# KiCad board oresat-proto-card.kicad_pcb (continued)
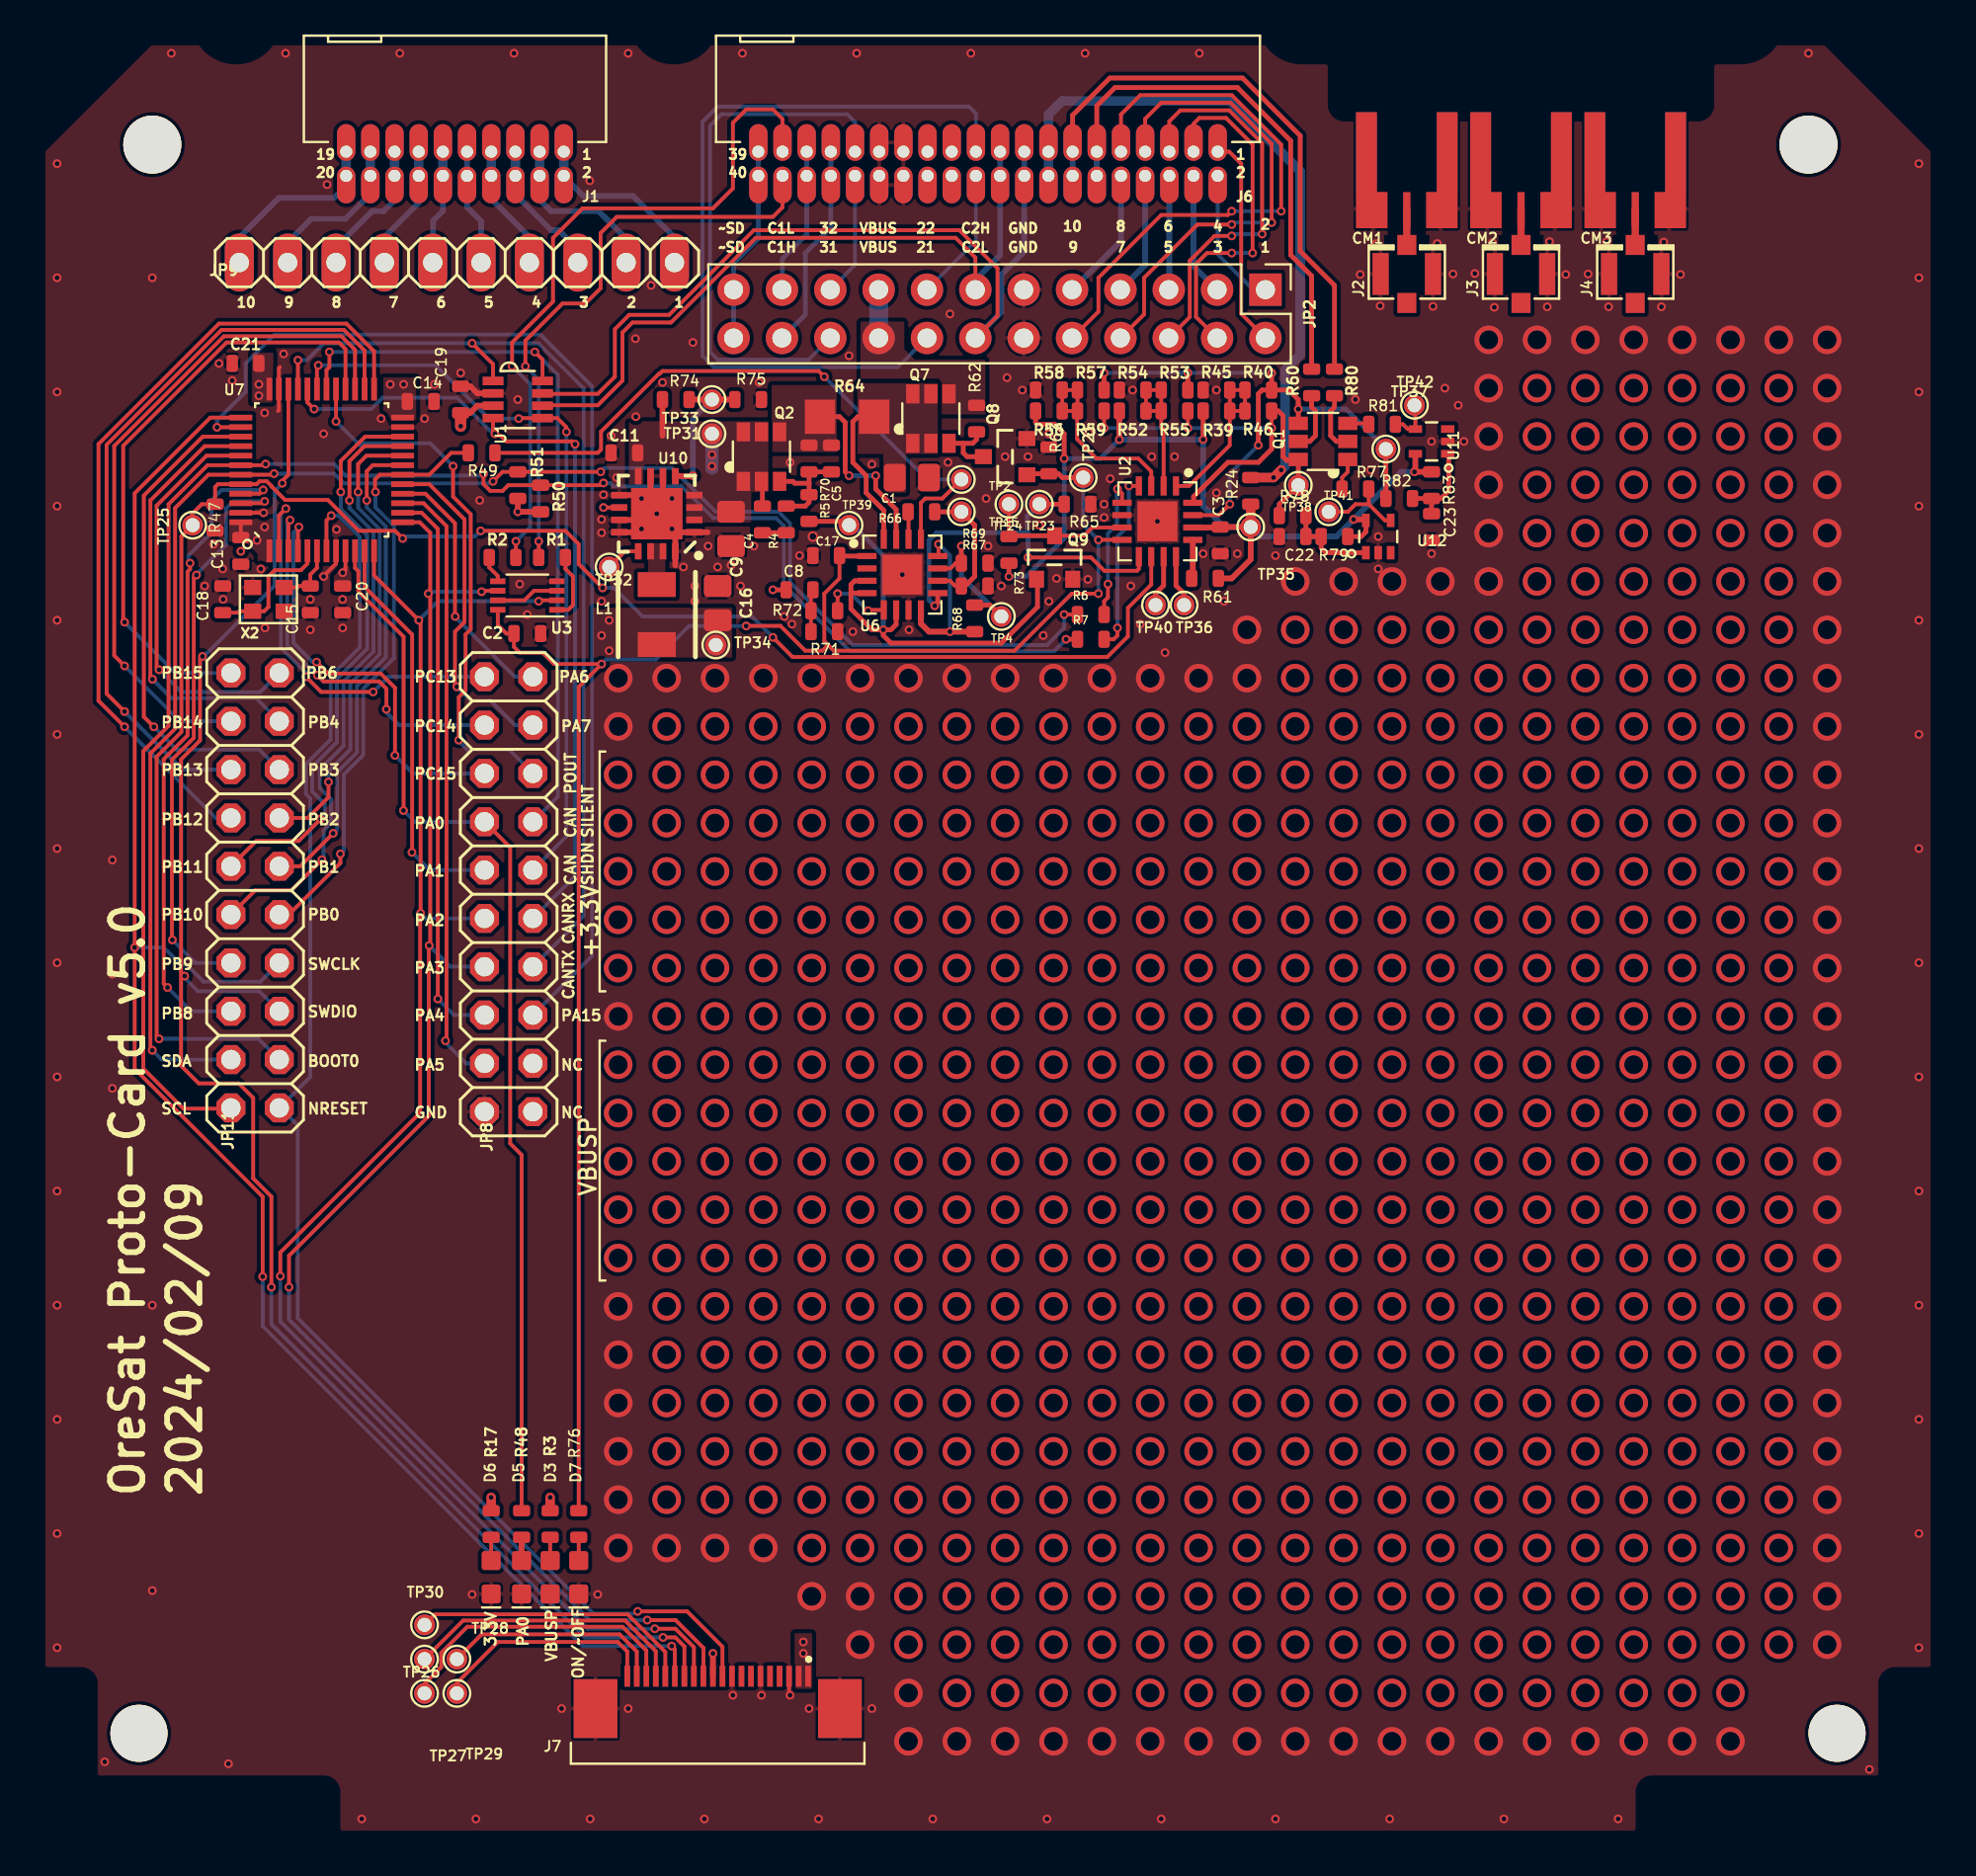
[diagram p0: board, top side]
## Nets (continued)
OPD_SCL: J6.13 J6.14 R80.1
OPD_SDA: J6.11 J6.12 R60.1
PA2/USART2_TX: J7.13 JP8.11 U3.2 U7.12
PA3/USART2_RX: J7.12 JP8.13 U3.6 U7.13
PB6/SCL: JP11.2 R7.1 R50.1 U7.42
PB7/SDA: JP11.4 R6.1 R51.1 U7.43
POUT: R49.1 TP2.1 U6.13
VPD: C3.2 R24.2 R39.2 R52.2 R56.2 R61.2 R73.2 R79.2 R83.2 TP35.1 U2.14 U11.5 U12.5
Net-(C4-Pad1): C4.1 R4.1
Net-(C8-Pad1): C8.1 R71.2 R72.2
Net-(D3-PadA): D3.A R3.1
Net-(D5-PadA): D5.A R48.1
Net-(D6-PadA): D6.A R17.1
Net-(D7-PadA): D7.A R76.1
Net-(J2-SIGNAL): CM1.SIG J2.FEED
Net-(J3-SIGNAL): CM2.SIG J3.FEED
Net-(J4-SIGNAL): CM3.SIG J4.FEED
Net-(J7-DEBUG-0): J7.17 TP26.1
Net-(J7-DEBUG-1): J7.18 TP27.1
Net-(J7-DEBUG-2): J7.19 TP28.1
Net-(J7-DEBUG-3): J7.20 TP29.1
Net-(J7-SWO): J7.16 TP30.1
Net-(L1-Pad1): L1.1 U10.14 U10.15
Net-(Q1A-G): Q1.1 R77.2
Net-(Q1A-S): Q1.5 R60.2
Net-(Q1B-G): Q1.3 R81.2
Net-(Q1B-S): Q1.2 R80.2
Net-(Q2-G): C5.1 Q2.3 R4.2 R5.2 R70.1
Net-(Q2-S): C5.2 Q2.4 R64.2 R70.2 U6.15
Net-(Q7-G): Q7.3 Q8.3 R62.1
Net-(U2-IO0): R7.2 U2.4
Net-(U2-IO1): R6.2 U2.5
Net-(U2-IO6): TP40.1 U2.11
Net-(U2-IO7): TP36.1 U2.12
Net-(U2-~{RESET}): R61.1 U2.13
Net-(U3-IN1): U3.3 U3.7
Net-(U3-NO1): R1.2 U3.1
Net-(U3-NO2): R2.2 U3.5
Net-(U6-CIN1+): R66.1 R67.2 TP15.1 U6.10
Net-(U6-CIN1-): R68.1 R69.2 TP4.1 U6.11
Net-(U6-CIN2+): R68.2 U6.8 U6.12
Net-(U6-INHIBIT): R72.1 U6.5
Net-(U6-IOUT): R66.2 U6.14
Net-(U6-RS+): C1.1 Q7.1 Q7.2 Q7.5 Q7.6 R64.1 U6.16
Net-(U7-PF0-OSC_IN): C18.1 U7.5 X2.1
Net-(U7-PF1-OSC_OUT): C15.1 U7.6 X2.3
Net-(U10-PG): TP32.1 U10.13
Net-(U10-SYNC): R74.1 R75.2 TP33.1 U10.5
Net-(U11-INP): C23.1 R82.1 R83.1 U11.1
Net-(U11-OUT): R81.1 TP42.1 U11.4
Net-(U12-INP): C22.1 R78.1 R79.1 U12.1
Net-(U12-OUT): R77.1 TP41.1 U12.4

Pads without a net: J2 NC; J3 NC; J4 NC; J7 4 5 7 8; JP8 18 20; U6 2; U11 3; U12 3

## Via types
v1: diameter 1.5, hole 1, Top to Bottom, 638 vias
v2: diameter 0.457, hole 0.254, Top to Bottom, 348 vias
v3: diameter 0.553, hole 0.35, Top to Bottom, 1 via

## Routing (per net, layer and track width the routed paths; a pad name or vN(x,y) marks a point on that pad's centre or on a via; arc(x,y) is an arc through that point)
3.3V: length 9.6
  Top w0.152: U7.1 12.15,68.1
  Top w0.2: U10.10 v2(29.7,69.93) ; C13.2 U7.48 ; U7.9 16.15,66.65 v2(16,66.5)
  Top w0.3: R51.2 v2(25.2,69.7) R50.2 ; C19.2 22.7,74.9 23.08,75.28 U1.3 ; J7.11 v2(35.45,9.7)
  Top w0.5: R17.2 v2(23.8,17.9)
  Top w0.6: C19.2 v2(22.2,74.2)
  vias: v1(30.47,55.88) v1(30.47,53.34) v1(30.47,50.81) v1(30.47,48.26) v1(30.47,45.72) v2(10.65,67.63) v2(11.5,68.2) v2(11.6,76.4) v2(11.6,75.8) v2(11.9,68.9) v2(18.5,76.4) v2(19.2,76.4) v2(29.6,63.2) v2(30,64) v2(30,62.4)
GND: length 23.9
  Top w0.2: U7.8 15.65,66.98 15,66.33 v2(15,66.3) ; 12.7,77.3 12.65,77.25 U7.35 12.65,75.05 12.6,75 ; v2(39.5,7.5) 39.45,7.55 J7.3 ; v2(11.84,69.65) U7.47
  Top w0.3: 32.18,71.58 32.18,69.93 v2(32.5,69.6) ; 33.47,66.88 U10.16 33.47,68.63 ; v2(32.5,69.6) 31.53,68.63 U10.12 ; v2(32.5,69.6) 32.83,69.93 32.83,71.58 ; v2(32.5,69.6) 32.18,69.28 U10.11 ; v2(32.5,69.6) 33.47,68.63 ; v2(32.5,69.6) 31.53,70.58 30.53,70.58 ; 33.47,68.63 U10.1 35.18,68.63 ; U1.2 23.08,75.93 22.7,76.3 C19.1
  vias: v1(30.48,60.96) v1(30.48,58.42) v1(30.48,43.18) v1(30.47,27.94) v1(30.48,25.4) v1(30.48,22.86) v1(30.48,20.32) v1(30.48,17.78) v1(30.48,15.24) v1(33.02,60.96) v1(33.02,15.24) v1(35.56,60.96) v1(35.56,15.24) v1(38.1,60.96) v1(38.1,15.24) v1(40.64,60.96) v1(40.64,12.7) v1(43.18,60.96) v1(43.18,12.7) v1(43.18,10.16) v1(45.72,60.96) v1(45.72,7.62) v1(45.72,5.08) v1(48.26,60.96) v1(48.26,5.08) v1(50.8,60.96) v1(50.8,5.08) v1(53.34,60.96) v1(53.34,5.08) v1(55.88,60.96) v1(55.88,5.08) v1(58.42,60.96) v1(58.42,5.08) v1(60.96,60.96) v1(60.96,5.08) v1(63.5,63.5) v1(63.5,60.96) v1(63.5,5.08) v1(66.04,66.04) v1(66.04,5.08) v1(68.58,66.04) v1(68.58,5.08) v1(71.12,66.04) v1(71.12,5.08) v1(73.66,66.04) v1(73.66,5.08) v1(76.2,78.74) v1(76.2,76.2) v1(76.2,73.66) v1(76.2,71.12) v1(76.2,68.58) v1(76.2,66.04) v1(76.2,5.08) v1(78.74,78.74) v1(78.74,5.08) v1(81.28,78.74) v1(81.28,5.08) v1(83.82,78.74) v1(83.82,5.08) v1(86.36,78.74) v1(86.36,5.08) v1(88.9,78.74) v1(88.9,5.08) v1(91.44,78.74) v1(93.98,78.74) v1(93.98,76.2) v1(93.98,73.66) v1(93.98,71.12) v1(93.98,68.58) v1(93.98,66.04) v1(93.98,63.5) v1(93.98,60.96) v1(93.98,58.42) v1(93.98,55.88) v1(93.98,53.34) v1(93.98,50.8) v1(93.98,48.26) v1(93.98,45.72) v1(93.98,43.18) v1(93.98,40.64) v1(93.98,38.1) v1(93.98,35.56) v1(93.98,33.02) v1(93.98,30.48) v1(93.98,27.94) v1(93.98,25.4) v1(93.98,22.86) v1(93.98,20.32) v1(93.98,17.78) v1(93.98,15.24) v1(93.98,12.7) v1(93.98,10.16) v2(1,88) v2(1,82) v2(1,76) v2(1,70) v2(1,64) v2(1,58) v2(1,52) v2(1,46) v2(1,40) v2(1,34) v2(1,28) v2(1,22) v2(1,16) v2(1,10) v2(3.5,4) v2(3.9,51.4) v2(3.9,45.4) v2(3.9,39.4) v2(6,82) v2(6,28) v2(6,13) v2(7,93.8) v2(8.75,65.8) v2(9.22,68) v2(9.5,77.5) v2(9.7,66.7) v2(9.72,65.1) v2(10,3.9) v2(10.2,76.6) v2(11.7,66.7) v2(11.9,74.9) v2(11.92,63.6) v2(12.9,78) v2(13,93.8) v2(14.3,65.1) v2(14.3,63.5) v2(15,73.8) v2(15.18,86.9) v2(15.68,68.78) v2(16,65.1) v2(16,63.6) v2(17,1) v2(18.02,74.6) v2(19,93.8) v2(20.3,74.6) v2(20.83,76.4) v2(22.2,77) v2(22.8,12.8) v2(23,1) v2(23.2,70.3) v2(25,93.8) v2(25.2,75.6) v2(25.3,65.9) v2(25.7,64.3) v2(27.5,6.8) v2(28.98,87.1) v2(29,1) v2(29.4,12.8) v2(29.6,69.3) v2(29.6,68.6) v2(29.6,65) v2(29.7,70.6) v2(30.1,73.7) v2(30.4,71.5) v2(31,93.8) v2(31,6.8) v2(31.38,78.8) v2(31.4,74.7) v2(31.7,70.4) v2(31.7,68.8) v2(32.2,81.6) v2(32.8,76.5) v2(33.3,70.4) v2(33.3,68.8) v2(33.9,66.8) v2(34.4,78.6) v2(34.5,65.8) v2(34.5,65) v2(35,1) v2(35.2,67.9) v2(35.7,66.8) v2(36.4,66.9) v2(36.5,7.5) v2(36.9,65.8) v2(37,93.8) v2(37.6,67.9) v2(37.88,76.5) v2(38,7.5) v2(39.2,64.2) v2(39.5,72.3) v2(39.6,63.8) v2(40,67.4) v2(40.5,6.8) v2(41,1) v2(42.6,77.9) v2(42.6,76.3) v2(42.8,63.4) v2(43,93.8) v2(43.8,72.2) v2(43.8,6.8) v2(45.4,66.4) v2(45.75,63.5) v2(47,1) v2(47.8,72.3) v2(47.9,80.1) v2(49,93.8) v2(49.8,70.4) v2(49.9,67.9) v2(50.6,65.8) v2(50.8,72.6) v2(50.9,76.75) v2(51.7,76.1) v2(52,72.6) v2(52.6,69) v2(52.8,63.2) v2(53,1) v2(53.1,73.8) v2(53.1,65) v2(53.5,66.2) v2(55,93.8) v2(55.2,73.85) v2(55.15,66.15) v2(56,70.1) v2(56,69.4) v2(56.32,71.44) v2(57.4,65.8) v2(57.5,76.1) v2(57.9,63.8) v2(58.5,72.6) v2(58.8,69.2) v2(59,1) v2(59.2,62.3) v2(59.7,72.6) v2(61,93.8) v2(61.2,67.5) v2(61.9,76.1) v2(61.9,70.7) v2(62.3,65) v2(63,67.5) v2(65,67.4) v2(65,1) v2(69.2,75.6) v2(69.45,82.18) v2(70,71.9) v2(70.3,83.8) v2(70.4,68.4) v2(70.4,66.7) v2(70.5,80.53) v2(71,1) v2(73.2,73.4) v2(73.2,67.5) v2(73.28,80.5) v2(73.5,83.8) v2(73.9,76.2) v2(74.33,82.2) v2(74.6,75.3) v2(74.9,73.4) v2(75.47,82.23) v2(76.4,83.85) v2(76.5,80.45) v2(77,1) v2(79.28,80.48) v2(79.4,83.9) v2(80.25,82.18) v2(81.43,82.2) v2(82.4,83.9) v2(82.5,80.48) v2(83,1) v2(85.28,80.48) v2(85.4,83.88) v2(86.28,82.18) v2(93,93.8) v2(96.2,3.6) v2(98.8,88) v2(98.8,82) v2(98.8,76) v2(98.8,70) v2(98.8,64) v2(98.8,58) v2(98.8,52) v2(98.8,46) v2(98.8,40) v2(98.8,34) v2(98.8,28) v2(98.8,22) v2(98.8,16) v2(98.8,10) v3(40.7,68.4)
VBUS: length 2.5
  Bottom w1: JP2.17 JP2.18
VBUSP: length 39.1
  Top w0.25: Q2.2 38.05,71.25 C4.2 ; C8.2 v2(38.6,65.6)
  Top w0.3: R74.2 32.8,73.7
  Top w0.5: v2(26.9,17.9) R3.2
  In2.Cu w0.5: v2(40.2,9.7) v2(40.2,10.3) 40.1,10.4 ; v1(30.47,40.64) v1(30.47,38.1) v1(30.47,35.56) 30.47,34.4 ; v2(26.9,17.9) 28,19 39.3,19 ; 30.47,34.4 v1(30.47,33.02) v1(30.47,30.48) ; 30.47,34.4 39.4,34.4
  Bottom w0.7: TP31.1 35.4,72
  vias: v2(35.4,72.7) v2(35.4,72.1)
(no net):
  vias: v1(33.02,58.42) v1(33.02,55.88) v1(33.02,53.34) v1(33.02,50.8) v1(33.02,48.26) v1(33.02,45.72) v1(33.02,43.18) v1(33.02,40.64) v1(33.02,38.1) v1(33.02,35.56) v1(33.02,33.02) v1(33.02,30.48) v1(33.02,27.94) v1(33.02,25.4) v1(33.02,22.86) v1(33.02,20.32) v1(33.02,17.78) v1(35.56,58.42) v1(35.56,55.88) v1(35.56,53.34) v1(35.56,50.8) v1(35.56,48.26) v1(35.56,45.72) v1(35.56,43.18) v1(35.56,40.64) v1(35.56,38.1) v1(35.56,35.56) v1(35.56,33.02) v1(35.56,30.48) v1(35.56,27.94) v1(35.56,25.4) v1(35.56,22.86) v1(35.56,20.32) v1(35.56,17.78) v1(38.1,58.42) v1(38.1,55.88) v1(38.1,53.34) v1(38.1,50.8) v1(38.1,48.26) v1(38.1,45.72) v1(38.1,43.18) v1(38.1,40.64) v1(38.1,38.1) v1(38.1,35.56) v1(38.1,33.02) v1(38.1,30.48) v1(38.1,27.94) v1(38.1,25.4) v1(38.1,22.86) v1(38.1,20.32) v1(38.1,17.78) v1(40.64,58.42) v1(40.64,55.88) v1(40.64,53.34) v1(40.64,50.8) v1(40.64,48.26) v1(40.64,45.72) v1(40.64,43.18) v1(40.64,40.64) v1(40.64,38.1) v1(40.64,35.56) v1(40.64,33.02) v1(40.64,30.48) v1(40.64,27.94) v1(40.64,25.4) v1(40.64,22.86) v1(40.64,20.32) v1(40.64,17.78) v1(40.64,15.24) v1(43.18,58.42) v1(43.18,55.88) v1(43.18,53.34) v1(43.18,50.8) v1(43.18,48.26) v1(43.18,45.72) v1(43.18,43.18) v1(43.18,40.64) v1(43.18,38.1) v1(43.18,35.56) v1(43.18,33.02) v1(43.18,30.48) v1(43.18,27.94) v1(43.18,25.4) v1(43.18,22.86) v1(43.18,20.32) v1(43.18,17.78) v1(43.18,15.24) v1(45.72,58.42) v1(45.72,55.88) v1(45.72,53.34) v1(45.72,50.8) v1(45.72,48.26) v1(45.72,45.72) v1(45.72,43.18) v1(45.72,40.64) v1(45.72,38.1) v1(45.72,35.56) v1(45.72,33.02) v1(45.72,30.48) v1(45.72,27.94) v1(45.72,25.4) v1(45.72,22.86) v1(45.72,20.32) v1(45.72,17.78) v1(45.72,15.24) v1(45.72,12.7) v1(45.72,10.16) v1(48.26,58.42) v1(48.26,55.88) v1(48.26,53.34) v1(48.26,50.8) v1(48.26,48.26) v1(48.26,45.72) v1(48.26,43.18) v1(48.26,40.64) v1(48.26,38.1) v1(48.26,35.56) v1(48.26,33.02) v1(48.26,30.48) v1(48.26,27.94) v1(48.26,25.4) v1(48.26,22.86) v1(48.26,20.32) v1(48.26,17.78) v1(48.26,15.24) v1(48.26,12.7) v1(48.26,10.16) v1(48.26,7.62) v1(50.8,58.42) v1(50.8,55.88) v1(50.8,53.34) v1(50.8,50.8) v1(50.8,48.26) v1(50.8,45.72) v1(50.8,43.18) v1(50.8,40.64) v1(50.8,38.1) v1(50.8,35.56) v1(50.8,33.02) v1(50.8,30.48) v1(50.8,27.94) v1(50.8,25.4) v1(50.8,22.86) v1(50.8,20.32) v1(50.8,17.78) v1(50.8,15.24) v1(50.8,12.7) v1(50.8,10.16) v1(50.8,7.62) v1(53.34,58.42) v1(53.34,55.88) v1(53.34,53.34) v1(53.34,50.8) v1(53.34,48.26) v1(53.34,45.72) v1(53.34,43.18) v1(53.34,40.64) v1(53.34,38.1) v1(53.34,35.56) v1(53.34,33.02) v1(53.34,30.48) v1(53.34,27.94) v1(53.34,25.4) v1(53.34,22.86) v1(53.34,20.32) v1(53.34,17.78) v1(53.34,15.24) v1(53.34,12.7) v1(53.34,10.16) v1(53.34,7.62) v1(55.88,58.42) v1(55.88,55.88) v1(55.88,53.34) v1(55.88,50.8) v1(55.88,48.26) v1(55.88,45.72) v1(55.88,43.18) v1(55.88,40.64) v1(55.88,38.1) v1(55.88,35.56) v1(55.88,33.02) v1(55.88,30.48) v1(55.88,27.94) v1(55.88,25.4) v1(55.88,22.86) v1(55.88,20.32) v1(55.88,17.78) v1(55.88,15.24) v1(55.88,12.7) v1(55.88,10.16) v1(55.88,7.62) v1(58.42,58.42) v1(58.42,55.88) v1(58.42,53.34) v1(58.42,50.8) v1(58.42,48.26) v1(58.42,45.72) v1(58.42,43.18) v1(58.42,40.64) v1(58.42,38.1) v1(58.42,35.56) v1(58.42,33.02) v1(58.42,30.48) v1(58.42,27.94) v1(58.42,25.4) v1(58.42,22.86) v1(58.42,20.32) v1(58.42,17.78) v1(58.42,15.24) v1(58.42,12.7) v1(58.42,10.16) v1(58.42,7.62) v1(60.96,58.42) v1(60.96,55.88) v1(60.96,53.34) v1(60.96,50.8) v1(60.96,48.26) v1(60.96,45.72) v1(60.96,43.18) v1(60.96,40.64) v1(60.96,38.1) v1(60.96,35.56) v1(60.96,33.02) v1(60.96,30.48) v1(60.96,27.94) v1(60.96,25.4) v1(60.96,22.86) v1(60.96,20.32) v1(60.96,17.78) v1(60.96,15.24) v1(60.96,12.7) v1(60.96,10.16) v1(60.96,7.62) v1(63.5,58.42) v1(63.5,55.88) v1(63.5,53.34) v1(63.5,50.8) v1(63.5,48.26) v1(63.5,45.72) v1(63.5,43.18) v1(63.5,40.64) v1(63.5,38.1) v1(63.5,35.56) v1(63.5,33.02) v1(63.5,30.48) v1(63.5,27.94) v1(63.5,25.4) v1(63.5,22.86) v1(63.5,20.32) v1(63.5,17.78) v1(63.5,15.24) v1(63.5,12.7) v1(63.5,10.16) v1(63.5,7.62) v1(66.04,63.5) v1(66.04,60.96) v1(66.04,58.42) v1(66.04,55.88) v1(66.04,53.34) v1(66.04,50.8) v1(66.04,48.26) v1(66.04,45.72) v1(66.04,43.18) v1(66.04,40.64) v1(66.04,38.1) v1(66.04,35.56) v1(66.04,33.02) v1(66.04,30.48) v1(66.04,27.94) v1(66.04,25.4) v1(66.04,22.86) v1(66.04,20.32) v1(66.04,17.78) v1(66.04,15.24) v1(66.04,12.7) v1(66.04,10.16) v1(66.04,7.62) v1(68.58,63.5) v1(68.58,60.96) v1(68.58,58.42) v1(68.58,55.88) v1(68.58,53.34) v1(68.58,50.8) v1(68.58,48.26) v1(68.58,45.72) v1(68.58,43.18) v1(68.58,40.64) v1(68.58,38.1) v1(68.58,35.56) v1(68.58,33.02) v1(68.58,30.48) v1(68.58,27.94) v1(68.58,25.4) v1(68.58,22.86) v1(68.58,20.32) v1(68.58,17.78) v1(68.58,15.24) v1(68.58,12.7) v1(68.58,10.16) v1(68.58,7.62) v1(71.12,63.5) v1(71.12,60.96) v1(71.12,58.42) v1(71.12,55.88) v1(71.12,53.34) v1(71.12,50.8) v1(71.12,48.26) v1(71.12,45.72) v1(71.12,43.18) v1(71.12,40.64) v1(71.12,38.1) v1(71.12,35.56) v1(71.12,33.02) v1(71.12,30.48) v1(71.12,27.94) v1(71.12,25.4) v1(71.12,22.86) v1(71.12,20.32) v1(71.12,17.78) v1(71.12,15.24) v1(71.12,12.7) v1(71.12,10.16) v1(71.12,7.62) v1(73.66,63.5) v1(73.66,60.96) v1(73.66,58.42) v1(73.66,55.88) v1(73.66,53.34) v1(73.66,50.8) v1(73.66,48.26) v1(73.66,45.72) v1(73.66,43.18) v1(73.66,40.64) v1(73.66,38.1) v1(73.66,35.56) v1(73.66,33.02) v1(73.66,30.48) v1(73.66,27.94) v1(73.66,25.4) v1(73.66,22.86) v1(73.66,20.32) v1(73.66,17.78) v1(73.66,15.24) v1(73.66,12.7) v1(73.66,10.16) v1(73.66,7.62) v1(76.2,63.5) v1(76.2,60.96) v1(76.2,58.42) v1(76.2,55.88) v1(76.2,53.34) v1(76.2,50.8) v1(76.2,48.26) v1(76.2,45.72) v1(76.2,43.18) v1(76.2,40.64) v1(76.2,38.1) v1(76.2,35.56) v1(76.2,33.02) v1(76.2,30.48) v1(76.2,27.94) v1(76.2,25.4) v1(76.2,22.86) v1(76.2,20.32) v1(76.2,17.78) v1(76.2,15.24) v1(76.2,12.7) v1(76.2,10.16) v1(76.2,7.62) v1(78.74,76.2) v1(78.74,73.66) v1(78.74,71.12) v1(78.74,68.58) v1(78.74,66.04) v1(78.74,63.5) v1(78.74,60.96) v1(78.74,58.42) v1(78.74,55.88) v1(78.74,53.34) v1(78.74,50.8) v1(78.74,48.26) v1(78.74,45.72) v1(78.74,43.18) v1(78.74,40.64) v1(78.74,38.1) v1(78.74,35.56) v1(78.74,33.02) v1(78.74,30.48) v1(78.74,27.94) v1(78.74,25.4) v1(78.74,22.86) v1(78.74,20.32) v1(78.74,17.78) v1(78.74,15.24) v1(78.74,12.7) v1(78.74,10.16) v1(78.74,7.62) v1(81.28,76.2) v1(81.28,73.66) v1(81.28,71.12) v1(81.28,68.58) v1(81.28,66.04) v1(81.28,63.5) v1(81.28,60.96) v1(81.28,58.42) v1(81.28,55.88) v1(81.28,53.34) v1(81.28,50.8) v1(81.28,48.26) v1(81.28,45.72) v1(81.28,43.18) v1(81.28,40.64) v1(81.28,38.1) v1(81.28,35.56) v1(81.28,33.02) v1(81.28,30.48) v1(81.28,27.94) v1(81.28,25.4) v1(81.28,22.86) v1(81.28,20.32) v1(81.28,17.78) v1(81.28,15.24) v1(81.28,12.7) v1(81.28,10.16) v1(81.28,7.62) v1(83.82,76.2) v1(83.82,73.66) v1(83.82,71.12) v1(83.82,68.58) v1(83.82,66.04) v1(83.82,63.5) v1(83.82,60.96) v1(83.82,58.42) v1(83.82,55.88) v1(83.82,53.34) v1(83.82,50.8) v1(83.82,48.26) v1(83.82,45.72) v1(83.82,43.18) v1(83.82,40.64) v1(83.82,38.1) v1(83.82,35.56) v1(83.82,33.02) v1(83.82,30.48) v1(83.82,27.94) v1(83.82,25.4) v1(83.82,22.86) v1(83.82,20.32) v1(83.82,17.78) v1(83.82,15.24) v1(83.82,12.7) v1(83.82,10.16) v1(83.82,7.62) v1(86.36,76.2) v1(86.36,73.66) v1(86.36,71.12) v1(86.36,68.58) v1(86.36,66.04) v1(86.36,63.5) v1(86.36,60.96) v1(86.36,58.42) v1(86.36,55.88) v1(86.36,53.34) v1(86.36,50.8) v1(86.36,48.26) v1(86.36,45.72) v1(86.36,43.18) v1(86.36,40.64) v1(86.36,38.1) v1(86.36,35.56) v1(86.36,33.02) v1(86.36,30.48) v1(86.36,27.94) v1(86.36,25.4) v1(86.36,22.86) v1(86.36,20.32) v1(86.36,17.78) v1(86.36,15.24) v1(86.36,12.7) v1(86.36,10.16) v1(86.36,7.62) v1(88.9,76.2) v1(88.9,73.66) v1(88.9,71.12) v1(88.9,68.58) v1(88.9,66.04) v1(88.9,63.5) v1(88.9,60.96) v1(88.9,58.42) v1(88.9,55.88) v1(88.9,53.34) v1(88.9,50.8) v1(88.9,48.26) v1(88.9,45.72) v1(88.9,43.18) v1(88.9,40.64) v1(88.9,38.1) v1(88.9,35.56) v1(88.9,33.02) v1(88.9,30.48) v1(88.9,27.94) v1(88.9,25.4) v1(88.9,22.86) v1(88.9,20.32) v1(88.9,17.78) v1(88.9,15.24) v1(88.9,12.7) v1(88.9,10.16) v1(88.9,7.62) v1(91.44,76.2) v1(91.44,73.66) v1(91.44,71.12) v1(91.44,68.58) v1(91.44,66.04) v1(91.44,63.5) v1(91.44,60.96) v1(91.44,58.42) v1(91.44,55.88) v1(91.44,53.34) v1(91.44,50.8) v1(91.44,48.26) v1(91.44,45.72) v1(91.44,43.18) v1(91.44,40.64) v1(91.44,38.1) v1(91.44,35.56) v1(91.44,33.02) v1(91.44,30.48) v1(91.44,27.94) v1(91.44,25.4) v1(91.44,22.86) v1(91.44,20.32) v1(91.44,17.78) v1(91.44,15.24) v1(91.44,12.7) v1(91.44,10.16)
/Connectors/AUX-1: length 9.8
  Bottom w0.3: J1.2 27.62,87.34 28.65,86.3 31.25,86.3 33.45,84.1 33.45,83.32 JP9.1
  Bottom w0.5: J1.2 J1.1
/Connectors/AUX-2: length 9.2
  Bottom w0.3: J1.4 26.34,86.11 26.95,85.5 29.45,85.5 30.95,84 30.89,83.94 JP9.2
  Bottom w0.5: J1.4 J1.3
/Connectors/AUX-3: length 7.4
  Bottom w0.3: J1.6 25.08,86.38 26.95,84.5 27.35,84.5 28.35,83.5 JP9.3
  Bottom w0.5: J1.6 J1.5
/Connectors/AUX-4: length 6.7
  Bottom w0.3: J1.8 23.81,86.15 25.81,84.14 JP9.4
  Bottom w0.5: J1.8 J1.7
/Connectors/AUX-5: length 6.1
  Bottom w0.3: JP9.5 23.27,84.98 22.54,85.72 J1.10 J1.9
/Connectors/AUX-6: length 6
  Bottom w0.3: JP9.6 20.75,83.32 20.75,85 21.27,85.52 J1.12
  Bottom w0.5: J1.12 J1.11
/Connectors/AUX-7: length 6.6
  Bottom w0.3: JP9.7 18.19,84.14 20,85.95 J1.14
  Bottom w0.5: J1.14 J1.13
/Connectors/AUX-8: length 7.5
  Bottom w0.3: J1.16 18.73,86.08 18.15,85.5 17.55,85.5 15.65,83.6 JP9.8
  Bottom w0.5: J1.16 J1.15
/Connectors/AUX-9: length 8.7
  Bottom w0.3: JP9.9 13.11,83.86 14.35,85.1 16.15,85.1 17.46,86.41 J1.18
  Bottom w0.5: J1.18 J1.17
/Connectors/AUX_~{SHUTDOWN}: length 9.9
  Bottom w0.3: J1.20 16.19,86.84 15.55,86.2 12.65,86.2 10.55,84.1 10.57,84.08 JP9.10
  Bottom w0.5: J1.20 J1.19
/Connectors/CAN1_H: length 11.2
  Bottom w0.25: 39.47,78.84 39.08,78.84 40.3,80.06 40.3,83.3 41.65,84.65 J6.34 J6.33
/Connectors/CAN1_L: length 7.8
  Bottom w0.25: 39.08,81.38 39.1,81.4 39.1,83 40.38,84.28 J6.36 J6.35
/Connectors/SPARE1: length 11.2
  Top w0.2: JP2.2 63.2,80.11 63.2,88 62.57,88.63 J6.1
/Connectors/SPARE2: length 7.4
  Bottom w0.2: J6.2 61.97,83.24 63.83,81.38 JP2.1
/Connectors/SPARE3: length 18.5
  Top w0.2: J6.3 60.69,90.1 61,90.4 62.4,90.4 63.8,89 v2(63.8,83.3) ; JP2.4 60.83,79.94 60.83,82.73 61.4,83.3 v2(62.7,83.3)
  Bottom w0.2: v2(63.8,83.3) v2(62.7,83.3)
/Connectors/SPARE4: length 6.5
  Bottom w0.3: J6.4 60.7,87.35 60.7,82.61 JP2.3 61.97,81.41
/Connectors/SPARE5: length 21.1
  Top w0.2: 59.4,78.84 60.5,79.94 60.5,82.9 61.8,84.2 v2(62.7,84.2) ; v2(64.3,84.3) 64.3,89.08 62.58,90.8 60,90.8 59.43,90.23 J6.5
  Bottom w0.2: v2(62.7,84.2) 62.8,84.3 v2(64.3,84.3)
/Connectors/SPARE6: length 6
  Bottom w0.3: 59.4,81.38 59.43,81.41 J6.6
/Connectors/SPARE7: length 25.3
  Top w0.2: v2(62.7,84.8) 60.9,84.8 58.1,82 58.1,80.08 56.86,78.84 ; J6.7 58.16,90.36 59,91.2 62.64,91.2 64.8,89.04 v2(64.8,84.9)
  Bottom w0.2: v2(64.8,84.9) 62.8,84.9 v2(62.7,84.8)
/Connectors/SPARE8: length 6.5
  Bottom w0.3: J6.8 58.16,82.68 56.86,81.38
/Connectors/SPARE9: length 30.2
  Top w0.2: v2(65.3,85.5) 65.3,89 62.7,91.6 57.9,91.6 56.89,90.59 J6.9 ; JP2.10 55.7,80.22 55.7,82 59,85.3 62.5,85.3 v2(62.7,85.5)
  Bottom w0.2: v2(65.3,85.5) v2(62.7,85.5)
/Connectors/SPARE10: length 7.1
  Bottom w0.3: J6.10 56.89,83.94 54.33,81.38 JP2.9
/Connectors/SPARE21: length 41.8
  Bottom w0.2: JP2.16 45.16,77.3 35.5,77.3 34.9,77.9 34.9,90.2 35.7,91 48.9,91 49.27,90.64 J6.21
/Connectors/SPARE22: length 7
  Bottom w0.2: J6.22 49.27,83.95 JP2.15
/Connectors/SPARE31: length 28.4
  Bottom w0.2: 41.62,78.84 40.48,77.7 35.7,77.7 35.3,78.1 35.3,90 35.9,90.6 42.5,90.6 42.91,90.19 J6.31
/Connectors/SPARE32: length 6.5
  Bottom w0.2: J6.32 42.91,82.68 41.62,81.38
/Connectors/~{SD}: length 10.3
  Bottom w0.25: JP2.24 36.53,82.77 37.84,84.07 J6.40 J6.39
/Microcontroller/CAN_RX: length 42.9
  Top w0.2: v2(14.5,75.1) 14.15,75.45 U7.32 ; v2(28.21,73.26) 28.06,73.41 24.59,73.41 24.3,73.7 24.1,73.7 v2(24,73.8) 23.9,73.9 U1.4
  Bottom w0.2: v2(24,73.8) 23.9,73.8 22,75.7 18.1,75.7 17.5,75.1 v2(14.5,75.1) ; v2(28.21,73.26) 28.2,73.25 28.2,50.54 JP8.12
/Microcontroller/CAN_SHDN: length 39.7
  Top w0.2: v2(27.76,73.9) 27.75,73.91 27.75,74.15 27.28,74.63 U1.5 25.28,74.63 v2(25.25,74.6) ; v2(14.72,77.4) 14.65,77.33 U7.31
  Bottom w0.2: v2(27.76,73.9) 27.75,73.89 27.75,52.63 JP8.10 ; v2(14.72,77.4) 20.89,77.4 23.69,74.6 v2(25.25,74.6)
/Microcontroller/CAN_TX: length 51.8
  Top w0.2: 23.9,76.58 23.9,77.46 v2(22.8,78.56) ; U7.33 v2(13.65,77.67)
  Bottom w0.2: v2(13.65,77.67) 14.13,77.67 15.01,78.56 v2(22.8,78.56) 26.29,78.56 28.66,76.18 28.66,48.46 JP8.14
/Microcontroller/NRESET: length 78.5
  Top w0.2: J7.10 35.95,10.05 34.09,11.91 v2(31.5,11.91) ; U7.7 15.15,69.25 v2(15.4,69.5)
  Bottom w0.2: v2(15.4,69.5) 15.78,69.5 16.9,68.38 16.9,62.58 15.37,61.05 15.37,57.74 14.07,56.44 14.07,54.86 14.3,54.64 14.3,40 JP11.1 12.73,38.37 13.64,37.46 13.64,27.32 29.16,11.8 31.39,11.8 v2(31.5,11.91)
/Microcontroller/PA0: length 56.2
  Top w0.2: v2(19.19,54) 19.2,54.01 19.2,63.14 16.82,65.51 16.82,66.58 16.65,66.75 U7.10 ; R48.2 25.4,35.9 24.8,36.5 24.8,52.06 JP8.7
  Bottom w0.2: v2(19.19,54) 19.79,53.4 23.44,53.4 JP8.7
/Microcontroller/PA1: length 21.1
  Top w0.2: U7.11 17.15,65.75 19.65,63.25 19.65,51.81 v2(19.64,51.8)
  Bottom w0.2: v2(19.64,51.8) 20.57,50.87 JP8.9
/Microcontroller/PA4: length 29.7
  Top w0.2: U7.14 20.15,69.65 21,68.8 v2(21,44.1)
  Bottom w0.2: v2(21,44.1) 21.85,43.25 JP8.15
/Microcontroller/PA5/SPI1_SCK: length 32.5
  Top w0.2: U7.15 20.25,70.15 21.46,68.94 21.46,41.96 v2(21.4,41.9)
  Bottom w0.2: v2(21.4,41.9) 21.4,41.8 22.49,40.71 JP8.17
/Microcontroller/PA6/SPI1_MISO: length 13.7
  Top w0.2: v2(21.91,64.2) 21.9,64.21 21.9,69.1 20.35,70.65 U7.16
  Bottom w0.2: JP8.2 25.05,61.03 21.91,64.17 v2(21.91,64.2)
/Microcontroller/PA7/SPI1_MOSI: length 17.9
  Top w0.2: v2(22,60.5) 21.9,60.6 21.9,63.4 22.4,63.9 22.4,69.3 20.55,71.15 U7.17
  Bottom w0.2: JP8.4 25.05,58.49 23.76,59.78 22.72,59.78 v2(22,60.5)
/Microcontroller/PA8: length 28.6
  Top w0.2: v2(21.8,72.1) 21.8,70.5 22.73,69.57 22.73,63.53 22.46,63.26 22.46,60.31 22.1,59.96 v2(22.1,57.7) ; v2(15.65,74.45) U7.29
  Bottom w0.2: JP8.6 24.74,57.2 22.54,57.2 22.1,57.64 v2(22.1,57.7) ; v2(21.8,72.1) 20.6,73.3 17,73.3 16.9,73.2 v2(15.65,74.45)
/Microcontroller/PA9/CAN_SILENT: length 40.2
  Top w0.2: v2(26.1,78.1) 26.5,77.7 26.5,76.58 ; v2(15.3,78.1) 15.3,77.3 15.15,77.15 U7.30
  Bottom w0.2: v2(15.3,78.1) v2(26.1,78.1) 27.3,76.9 27.3,54.72 JP8.8
/Microcontroller/PA15: length 59.5
  Top w0.2: v2(9.4,74.14) 10.64,74.14 U7.38
  Bottom w0.2: JP8.16 29.1,46.36 29.1,76.3 26.39,79.01 12.41,79.01 10.9,77.5 10.9,76 9.4,74.5 v2(9.4,74.14)
/Microcontroller/PB0/POUTPROT: length 31.5
  Top w0.2: JP11.9 13.17,48.53 15.88,51.24 v2(15.88,51.72) ; R49.2 21.7,72.8 20.55,71.65 U7.18 17.95,71.65 17.7,71.4 17.7,70.77 v2(17.72,70.74)
  Bottom w0.2: v2(15.88,51.72) 16.06,51.89 16.06,55.89 17.08,56.92 17.08,60.4 18.69,62.01 18.69,68.96 17.72,69.93 v2(17.72,70.74)
/Microcontroller/PB1: length 26.2
  Top w0.2: v2(17.27,70.3) 17.27,71.84 17.58,72.15 19.15,72.15 U7.19 ; v2(15.5,52.8) 13.77,51.07 JP11.11
  Bottom w0.2: v2(15.5,52.8) 15.7,53 15.71,53 15.71,56.01 16.75,57.05 16.75,60.55 18.27,62.06 18.27,68.93 17.27,69.93 v2(17.27,70.3)
/Microcontroller/PB2: length 24.7
  Top w0.2: v2(15.26,55.5) 15.26,54.7 14.17,53.61 JP11.13 ; U7.20 17.25,72.65 16.81,72.21 v2(16.81,70.74)
  Bottom w0.2: v2(16.81,70.74) 16.81,69.91 17.94,68.79 17.94,62.21 16.4,60.67 16.4,57.2 15.25,56.05 15.25,55.5 v2(15.26,55.5)
/Microcontroller/PB3: length 26.3
  Top w0.2: v2(6.08,58.4) 5.55,58.93 5.55,70.55 8.65,73.65 U7.39
  Bottom w0.2: v2(6.08,58.4) 7.28,57.2 11.62,57.2 JP11.15
/Microcontroller/PB4: length 23
  Top w0.2: U7.40 8.75,73.15 5.9,70.3 5.9,61.01 v2(6.01,60.9)
  Bottom w0.2: v2(6.01,60.9) 7.01,59.9 11.46,59.9 JP11.17
/Microcontroller/PB5: length 21.4
  Top w0.2: U7.41 8.85,72.65 6.23,70.03 6.23,61.53 v2(6.36,61.4)
  Bottom w0.2: v2(6.36,61.4) 7.53,60.23 11.67,60.23 JP11.19
/Microcontroller/PB8: length 34.8
  Top w0.2: v2(7.98,67) 7.98,66.68 7.85,66.55 7.85,57.95 6.6,56.7 6.6,44.9 v2(6.8,44.7) ; U7.45 11.62,70.65 v2(11.83,70.85)
  Bottom w0.2: JP11.6 8.05,43.45 v2(6.8,44.7) ; v2(11.83,70.85) 9.65,70.85 9.1,70.3 9.1,68.6 7.9,67.4 7.9,67.08 v2(7.98,67)
/Microcontroller/PB9: length 30.9
  Top w0.2: v2(11.9,70.25) 11.8,70.15 U7.46 ; v2(8.32,66.38) 8.18,66.24 8.18,57.82 7.03,56.67 7.03,47.22 v2(7.06,47.2)
  Bottom w0.2: v2(11.9,70.25) 10.25,70.25 9.88,69.88 9.88,67.98 8.3,66.4 v2(8.32,66.38) ; JP11.8 8.27,45.99 v2(7.06,47.2)
/Microcontroller/PB10: length 32.2
  Top w0.2: U7.21 17.14,73.15 16.36,72.36 v2(16.36,70.3) ; JP11.10 11.4,49.8 13.3,49.8 v2(14.91,51.41)
  Bottom w0.2: v2(14.91,51.41) 14.91,51.41 15,51.5 15,52.94 15.38,53.33 15.38,54.6 14.8,55.18 14.8,56.16 16.05,57.41 16.05,60.79 17.61,62.35 17.61,68.64 16.36,69.9 v2(16.36,70.3)
/Microcontroller/PB11: length 30.5
  Top w0.2: JP11.12 11.46,52.4 13.69,52.4 v2(14.84,53.55) ; v2(15.9,70.74) 15.9,72.37 17.18,73.65 19.15,73.65 U7.22
  Bottom w0.2: v2(15.9,70.74) 15.9,69.85 17.29,68.46 17.29,62.5 15.7,60.91 15.7,57.6 14.4,56.3 14.4,55 15.06,54.34 15.06,53.77 v2(14.84,53.55)
/Microcontroller/PB12: length 42.7
  Top w0.2: U7.25 17.65,78.14 16.2,79.59 9.5,79.59 3.17,73.26 3.17,59.77 v2(4.54,58.4)
  Bottom w0.2: v2(4.54,58.4) 9.33,53.61 JP11.14
/Microcontroller/PB13: length 39.8
  Top w0.2: U7.26 17.15,78.17 16.06,79.26 9.64,79.26 3.6,73.22 3.6,60.14 v2(4.54,59.2)
  Bottom w0.2: JP11.16 7.59,56.15 v2(4.54,59.2)
/Microcontroller/PB14: length 36
  Top w0.2: U7.27 16.65,78.21 15.94,78.93 9.76,78.93 4,73.16 4,62.14 v2(4.54,61.6)
  Bottom w0.2: JP11.18 7.45,58.69 v2(4.54,61.6)
/Microcontroller/PB15: length 32.2
  Top w0.2: U7.28 16.15,78.25 15.8,78.6 9.9,78.6 4.47,73.17 4.47,63.97 v2(4.54,63.9)
  Bottom w0.2: v2(4.54,63.9) 7.21,61.23 JP11.20
/Microcontroller/PC13: length 21.9
  Top w0.2: v2(14.07,61.03) 14.87,60.23 v2(17.6,60.23) ; U7.2 12.65,69.51 v2(13.01,69.87)
  Bottom w0.2: v2(17.6,60.23) 18.4,61.03 JP8.1 ; v2(14.07,61.03) 14.07,61.23 12.76,62.54 12.76,69.61 v2(13.01,69.87)
/Microcontroller/PC14: length 21.1
  Top w0.2: v2(13.24,69.26) 13.15,69.18 U7.3 ; v2(14.67,61.11) 14.99,60.79 17.91,60.79 18.3,60.4 18.3,59.33 v2(18.29,59.33)
  Bottom w0.2: v2(13.24,69.26) 13.08,69.11 13.08,62.68 14.66,61.1 v2(14.67,61.11) ; v2(18.29,59.33) 18.29,59.15 18.95,58.49 JP8.3
/Microcontroller/PC15: length 22.4
  Top w0.2: v2(14.63,61.8) 15.23,61.2 18,61.2 18.75,60.45 18.75,56.91 v2(18.74,56.9) ; U7.4 13.65,68.85 v2(13.7,68.9)
  Bottom w0.2: v2(13.7,68.9) 13.7,68.89 13.41,68.6 13.41,62.81 14.42,61.8 v2(14.63,61.8) ; v2(18.74,56.9) 19.69,55.95 JP8.5
/Microcontroller/SWCLK: length 92.6
  Top w0.2: 5.08,46.8 5.08,70.68 9.05,74.65 U7.37 ; 5.08,46.8 v2(5.07,46.8) ; 5.08,46.8 5.08,40.43 11.8,33.7 v2(11.8,29.5) ; J7.15 33.45,9.92 v2(33.28,10.08)
  Bottom w0.2: v2(5.07,46.8) 6.6,46.8 7.5,45.9 7.79,45.9 8.69,45 11.68,45 JP11.7 ; v2(33.28,10.08) 28.62,10.08 11.8,26.9 v2(11.8,29.5)
/Microcontroller/SWDIO: length 91.1
  Top w0.2: v2(12.83,71.2) 12.83,71.33 13.16,71.66 13.16,72.29 13.15,72.3 U7.34 ; J7.14 33.95,8.7 33.95,10.06 33.47,10.54 v2(32.83,10.54) ; v2(8.64,62.1) 8.51,61.97 8.51,57.68 7.51,56.69 7.51,45.49 ; 7.51,45.49 v2(7.7,45.3) ; 7.51,45.49 7.51,40.59 8.44,39.66 10.54,39.66 11.3,38.9 11.3,34.66 12.26,33.71 v2(12.26,28.95)
  Bottom w0.2: v2(7.7,45.3) 7.7,45.2 8.4,44.5 11.62,44.5 JP11.5 ; v2(8.64,62.1) 8.7,62.1 12.43,65.83 12.43,70.8 v2(12.83,71.2) ; v2(12.26,28.95) 12.26,27.01 28.72,10.54 v2(32.83,10.54)
/Power/AD0: length 9.3
  Top w0.2: R39.1 R45.2 R40.2 R46.1 R39.1 ; R39.1 62.6,73.2 60.46,71.06 U2.1
/Power/AD1: length 7.8
  Top w0.2: R55.1 R52.1 R54.2 R53.2 R55.1 ; R55.1 59,74.17 59.12,74.04 U2.2
/Power/AD2: length 10.6
  Top w0.2: U2.3 58.47,71.83 57.8,72.5 55.6,72.5 54.58,73.52 54.58,74.98 ; R57.2 R58.2 R56.1 R59.1 R57.2
  Top w0.25: 54.58,74.98 R59.1
/Power/CB-RESET: length 20.8
  Top w0.2: v2(52,67.3) 55.31,67.3 56.01,66.6 57.72,66.6 57.83,66.7 U2.9
  Top w0.25: v2(47.1,64.76) 47.26,64.92 U6.9 ; R65.2 TP23.1
  Bottom w0.25: 51.97,68.6 47.2,68.6 46.8,68.2 46.8,65.06 v2(47.1,64.76) ; 51.97,68.6 52,68.6 v2(52,67.3) ; 51.97,68.6 51.97,69.47 TP23.1
/Power/CB_CTRL: length 26.1
  Top w0.2: 52.5,66.1 Q9.1
  Top w0.25: v2(44.4,63.5) 44.4,63.2 44.8,62.8 50.6,62.8 52.5,64.7 52.5,66.1 ; v2(44.4,63.5) 43.8,63.5 42.7,64.6 42.7,65.43 ; v2(44.4,63.5) 44.8,63.5 45.08,63.78 U6.6 ; TP39.1 42.4,69.2 R5.1 ; 42.7,65.43 42.7,65.88 42.9,66.08 43.54,66.08 ; 42.7,65.43 U6.4
  Bottom w0.25: v2(44.4,63.5) 44.4,67.4 42.8,69 TP39.1
/Power/ON/~{OFF}: length 98.8
  Top w0.2: R76.2 28.4,60.5 v2(29.6,61.7) 27.1,61.7 26.5,62.3 25.3,62.3 25,62.6 C2.2 24.6,63.3 24.15,63.75 U3.8 ; v2(55.7,65.4) 54.3,65.4 51.3,62.4 41.8,62.4 41.5,62.7 ; C17.1 42.1,66.2 41.3,65.4 41.3,62.9 41.5,62.7 ; 56.94,68.23 v2(55.7,68.23) ; 41.5,62.7 41.2,62.4 40.3,62.4 38.99,63.71 37.21,63.71 v2(37.2,63.7)
  Top w0.25: C17.1 42.12,67.38 43.54,67.38 ; TP21.1 53.8,71.5 53.6,71.7 R63.2 52,71.7
  Top w0.3: Q8.1 52,71.7
  Bottom w0.2: v2(55.7,65.4) v2(55.7,68.23) 54.9,69.03 TP21.1 ; v2(37.2,63.7) 34.2,63.7 32.44,61.94 29.84,61.94 v2(29.6,61.7)
/Power/PEN-SCL-FILT: length 31.8
  Top w0.2: v2(62.6,70.1) 62.03,69.53 60.66,69.53
  Top w0.25: R82.2 TP37.1 ; R57.1 v2(56,77) ; R40.1 v2(64.8,77) ; R40.1 65.7,76.1 66.2,75.6 66.2,75.38 66.2,75.38 v2(66.2,75.1) Q1.4 ; R40.1 64.3,76.1 64.1,75.9 v2(64.1,73.2) ; R53.1 v2(60.4,77)
  Bottom w0.2: v2(56,77) v2(60.4,77) v2(64.8,77) ; v2(62.6,70.1) 62.6,71.7 v2(64.1,73.2)
  Bottom w0.25: TP37.1 68.7,75.1 v2(66.2,75.1)
/Power/PEN-SDA-FILT: length 25.2
  Top w0.2: v2(64.8,74.1) R46.2 ; v2(60.4,74.1) R55.2 ; R59.2 v2(56,74.1)
  Top w0.25: R78.2 65.2,70.1 TP38.1 66.2,72.4 ; U2.16 60.7,70.22 60.7,70.5 62.5,72.3 64.1,72.3 64.8,73 v2(64.8,74.1) ; 66.2,72.4 65.6,72.4 65.4,72.6 65.4,74.75 65.15,75 R46.2 ; 66.2,72.4 Q1.6
  Bottom w0.2: v2(56,74.1) v2(60.4,74.1) v2(64.8,74.1)
/Power/~{FAULT}: length 7.8
  Top w0.2: U2.7 55.38,68.88 54.94,68.44 Q9.3 ; R73.1 TP24.1
  Top w0.25: R73.1 51.04,68.44 Q9.3
BOOT0: length 95.5
  Top w0.2: v2(19.15,68.3) 18.75,68.7 16.84,68.7 15.22,70.32 12.98,70.32 12.28,71.02 12.28,71.04 12.01,71.31 11.64,71.31 11.48,71.15 U7.44 9.45,71.15 9.3,71 R47.2 8.6,70.1 8.1,69.6 8.1,69.02 TP25.1 7.53,68.41 7.53,58.13 6.23,56.83 6.23,42.13 v2(6.36,42) ; v2(38.6,63.1) 39.63,62.07 56.17,62.07 57.25,63.15 57.25,64.65 58.47,65.88 U2.10 ; v2(23.25,68.7) 27.7,68.7 28.4,68 28.4,66.96 v2(29.66,65.7)
  Bottom w0.2: v2(23.25,68.7) 22.95,68.4 19.25,68.4 v2(19.15,68.3) ; v2(38.6,63.1) 37.5,64.2 31.76,64.2 30.26,65.7 v2(29.66,65.7) ; JP11.3 11.58,42 v2(6.36,42)
C3-UART-RX: length 31.4
  Top w0.2: v2(25.6,77.35) 25.6,78.7 27.55,80.65 28.75,80.65 29.55,81.45 29.55,84.35 30.4,85.2 38.6,85.2 39.11,85.71 J6.38 ; R1.1 v2(26.3,68.15)
  Bottom w0.2: v2(26.3,68.15) 26.3,76.65 v2(25.6,77.35)
C3-UART-TX: length 37.2
  Top w0.2: J6.37 39.11,90.35 38.6,90.85 37.2,90.85 36.5,90.15 36.5,86.7 35.45,85.65 28.6,85.65 27.05,84.1 27.05,80.75 24.9,78.6 v2(24.9,77.35) ; R2.1 v2(25.1,68.15)
  Bottom w0.2: v2(24.9,77.35) 25.85,76.4 25.85,68.9 v2(25.1,68.15)
CAN2_H: length 44.8
  Top w0.2: 49.24,78.84 50.4,80 50.4,82.5 48.4,84.5 37.6,84.5 33.15,80.05 31.05,80.05 30.3,79.3 30.3,76.8 29.4,75.9 26.53,75.9
  Top w0.25: 26.53,75.9 U1.7
  Bottom w0.3: 49.24,78.84 50.6,80.2 50.6,82.18 51.81,83.38 J6.18 J6.17
CAN2_L: length 37.8
  Top w0.2: U1.6 26.53,75.3 29.4,75.3 30.7,76.6 30.7,79.13 31.22,79.65 33.25,79.65 37.7,84.1 48.2,84.1 49.24,83.07 49.24,81.38
  Bottom w0.3: 49.24,81.38 49.24,81.89 50.53,83.19 J6.20 J6.19
OPD_PWR: length 36.7
  Top w0.5: R24.1 v2(64.9,71.5) v2(65.3,71.9)
  Bottom w0.5: v2(64.9,71.5) v2(65.3,71.9) 65.5,72.1 65.5,77.15 66.3,77.95 66.3,87.6 62.6,91.3 53.8,91.3 53.08,90.58 J6.15 J6.16
OPD_SCL: length 30.2
  Top w0.25: R80.1 68.1,81.6 66.3,83.4 66.3,89.47 63.27,92.5 56.3,92.5 54.34,90.55 J6.13
  Bottom w0.3: J6.13 J6.14
OPD_SDA: length 27.9
  Top w0.25: R60.1 66.9,82.1 65.8,83.2 65.8,89.2 63,92 56.58,92 55.62,91.04 J6.11
  Bottom w0.3: J6.11 J6.12
PA2/USART2_TX: length 86.1
  Top w0.2: U3.2 26.35,65.05 v2(26.3,65) ; J7.13 34.45,10.03 33.48,11 v2(32.4,11) ; v2(12.73,29.53) 12.73,30.78 20.07,38.12 20.07,48.58 v2(20.09,48.6) 20.09,63.91 17.65,66.35 U7.12
  Bottom w0.2: JP8.11 20.36,48.33 v2(20.09,48.6) ; v2(20,64) 21,65 v2(26.3,65) ; v2(12.73,29.53) 12.73,27.14 28.87,11 v2(32.4,11)
